# KiCad board lb_mp1.kicad_pcb (continued)
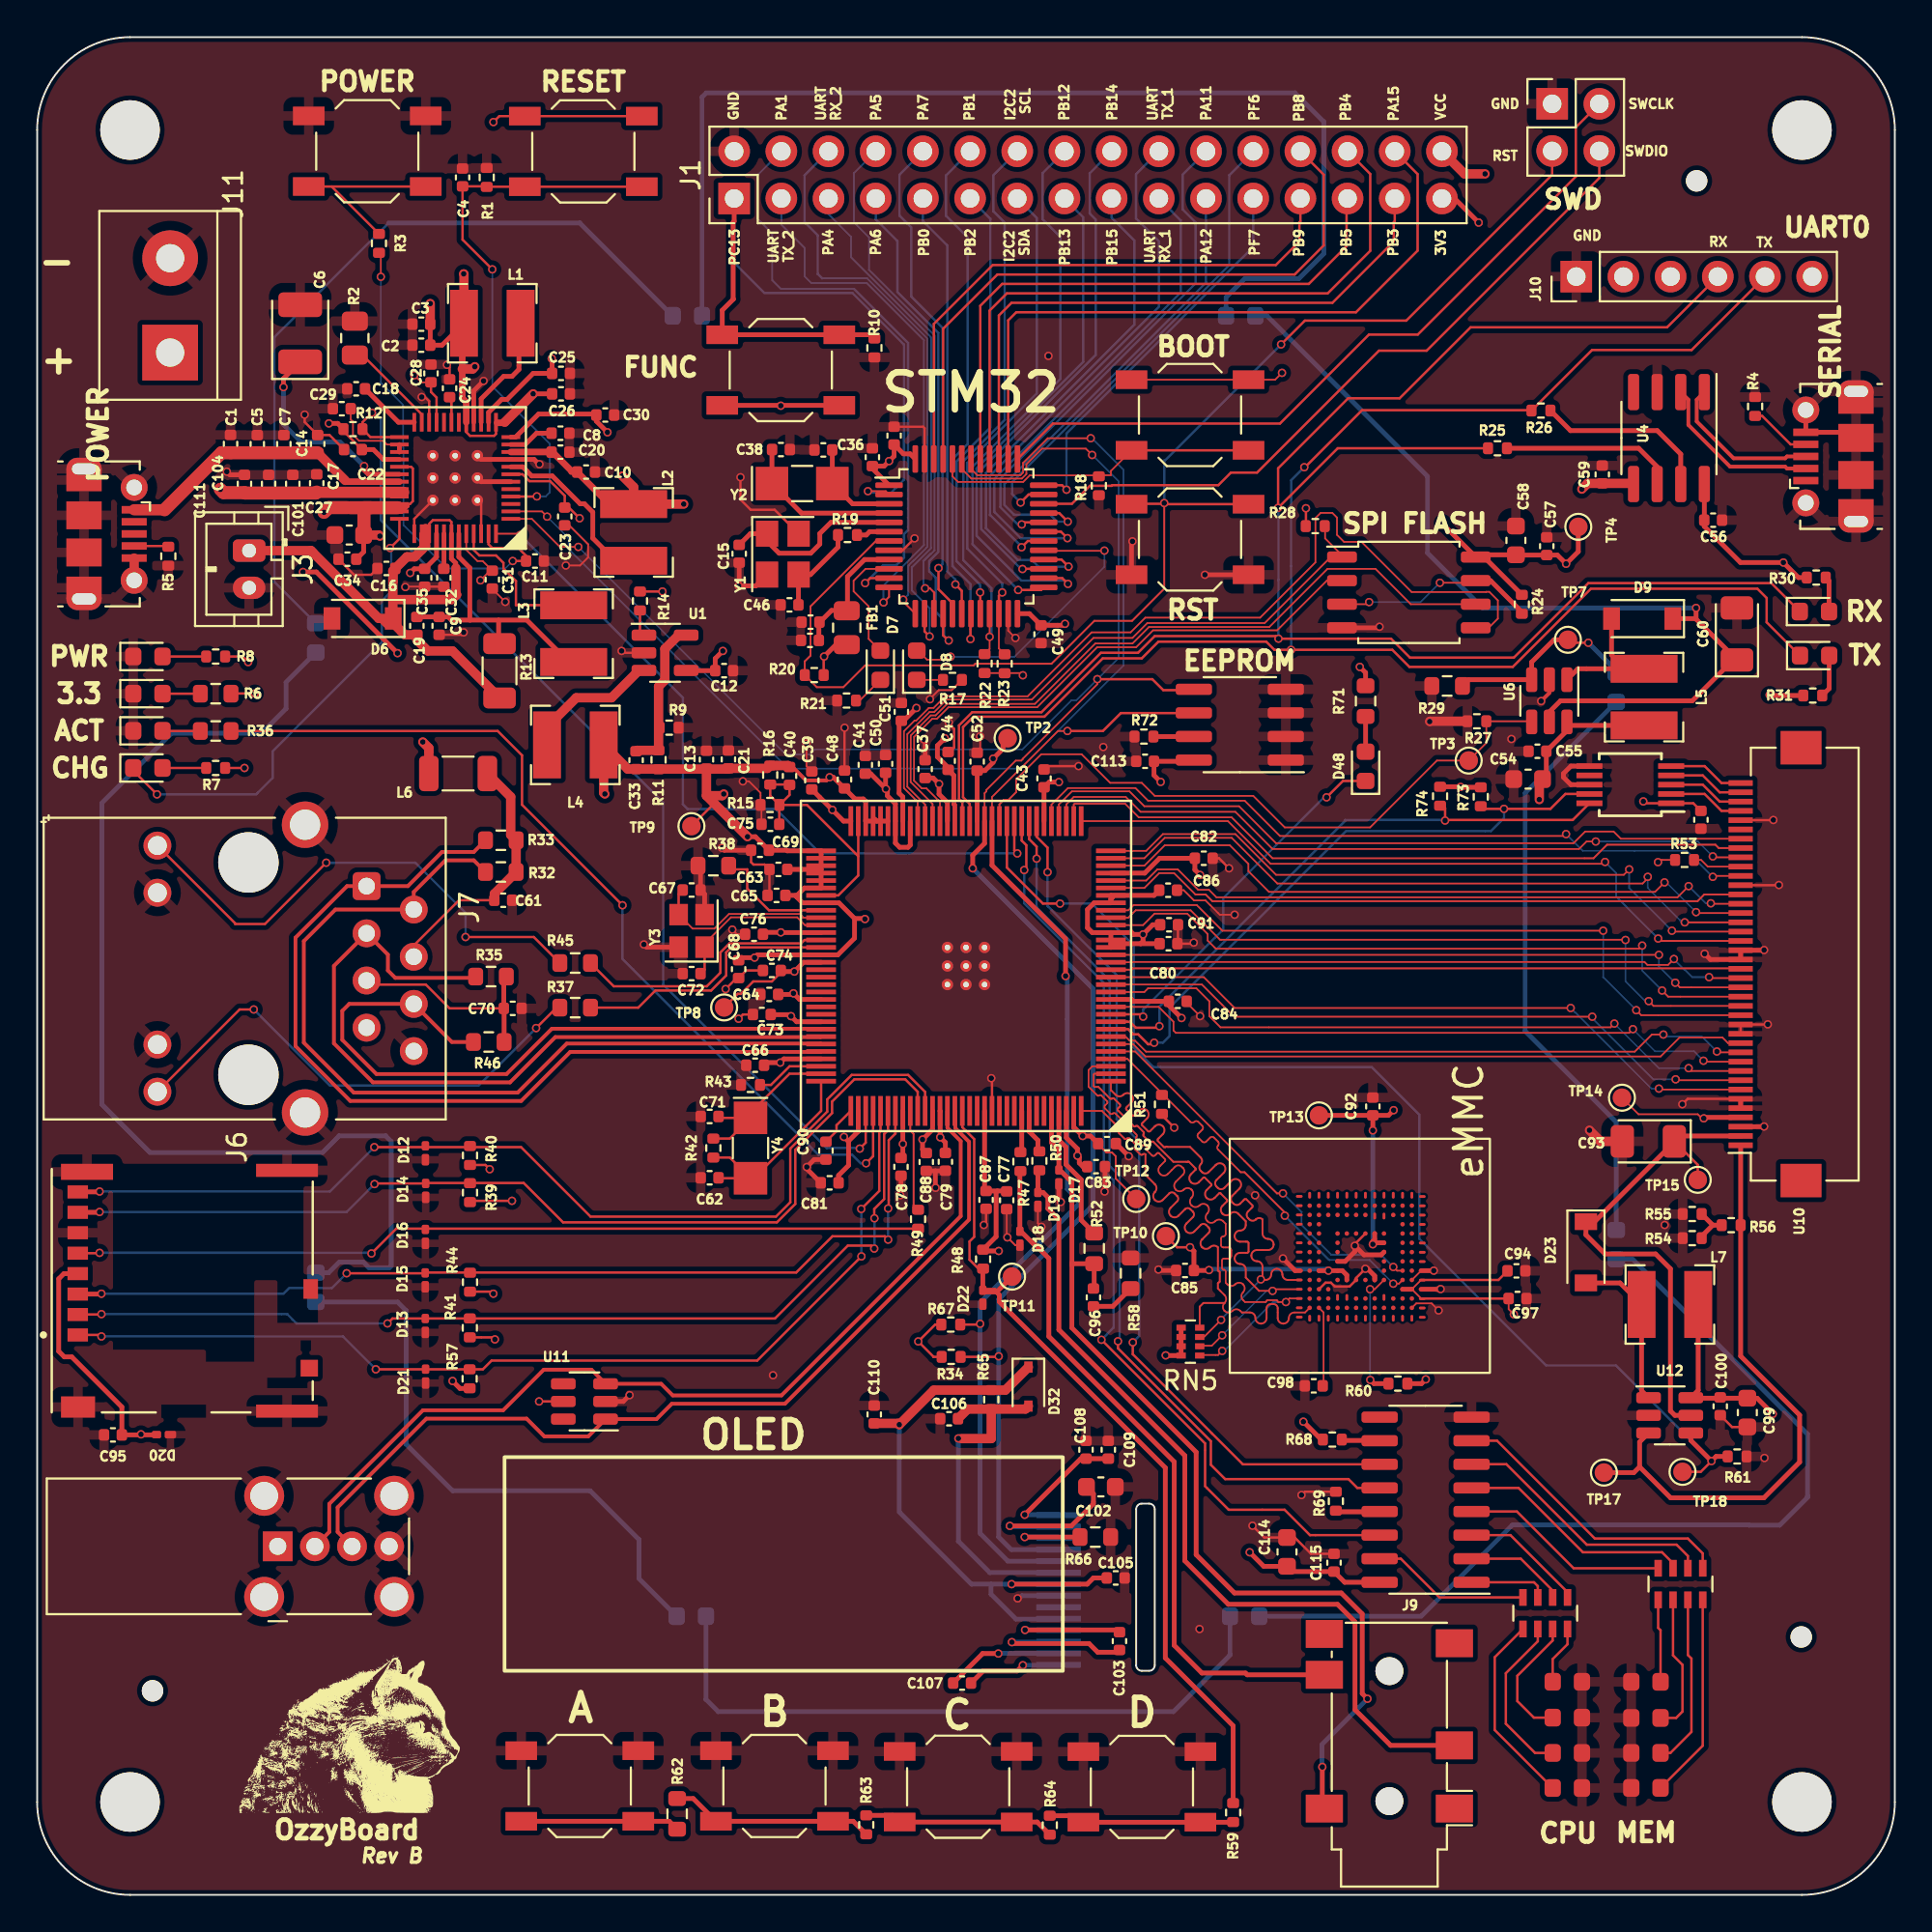
[diagram p0: board, top side]
## Routing (per net, layer and track width the routed paths; a pad name or vN(x,y) marks a point on that pad's centre or on a via; arc(x,y) is an arc through that point) (continued)
VCC: length 373.2
  Top w0.09: C28.1 20.68,81.42 v1(20.3,81.8) ; v1(23.86,70.76) 24.38,71.28 C31.1 23.98,71.8 23.7,71.8 23.1,72.4 U2.44
  Top w0.127: U2.21 21.5,80.6 21.2,80.9 C28.1 ; v1(11.36,66.36) 11.06,66.66 R8.1 ; U2.29 20.13,76.87 20.22,76.78 20.22,75.02 20.07,74.87 U2.34 ; v1(29.2,74.1) 28.62,74.68 C23.1 28.4,75.31 27.61,76.1 26.5,76.1 26.13,76.47 U2.7 ; U11.5 v1(27.02,26.56) ; SW1.2 SW1.2 24.88,95.75 v1(24.56,95.43) ; R7.1 v1(11.16,60.66)
  Top w0.254: 19.24,74.69 19.31,74.62 19.46,74.77 19.92,74.77 19.62,74.47 U2.35 ; L5.1 82.54,62.95 U6.6 82.35,62.67 C55.1 81.24,60.27 C54.1 ; U2.14 24.3,79.8 25,80.5 25.3,80.5 26.7,81.9 C25.1 27.72,82.68 v1(27.7,82.7) ; v1(36.91,66.96) 36.5,66.55 C12.1 34.95,65.9 U1.4 ; C34.1 17.58,72.3 C27.1 ; U2.34 19.5,74.64 ; L7.1 89.41,27.16 U12.6 89.04,26.73 C99.1 92.59,26.73 v1(93.43,25.89)
  Top w0.5: C27.1 18.39,73.2 v1(18.45,73.14) ; J1.32 76.84,92.64 v1(77.94,92.64) ; 85.94,75.94 85.9,75.98 C59.1 83.46,75.98 v1(83.15,75.67) ; v1(80.86,58.96) 80.86,59.88 C54.1 ; 16.72,74.69 16.7,74.67
  Top w0.7: 16.7,74.67 15.7,74.67 v1(15.44,74.42) ; 17.94,74.67 16.86,74.67 ; 19.4,74.67 17.59,74.67 ; 17.59,74.56 17.59,73.3
  Power plane w0.127: v1(11.16,60.66) 13.64,60.66 15.8,62.82 ; 15.8,65.73 15.17,66.36 v1(11.36,66.36)
  Power plane w0.5: v1(77.94,92.64) 78.46,92.12 78.46,88.81 74.59,84.94 66.68,84.94 64.67,82.94 64.67,81.86 ; 36.91,75.11 v1(36.91,66.96) ; 36.91,75.11 37.17,74.85 50.75,74.85 57.76,81.86 64.67,81.86 ; 36.91,75.11 36.91,77.11 32.82,81.2 29.2,81.2 ; 64.67,81.86 65.96,81.86 72.01,75.81 ; 72.01,75.81 72.11,75.81 78.56,69.36 78.56,61.26 v1(80.86,58.96) 81.96,57.86 90.46,57.86 92.82,55.5 92.82,54.16 94.63,52.35 94.63,27.09 v1(93.43,25.89) ; 72.01,75.81 72.15,75.67 v1(83.15,75.67) ; 19.12,73.81 19.21,73.81 20.56,72.46 23.86,72.46 ; 19.12,73.81 19.12,80.71 20.22,81.8 v1(20.3,81.8) 20.3,91.17 v1(24.56,95.43) ; 19.12,73.81 v1(18.45,73.14) ; 23.86,72.46 27.76,72.46 29.2,73.9 v1(29.2,74.1) 29.2,81.2 ; 23.86,72.46 v1(23.86,70.76) ; 29.2,81.2 v1(27.7,82.7)
  Power plane w0.7: 17.02,73.89 16.49,74.42 v1(15.44,74.42) ; v1(15.44,74.42) 15.44,72 15.8,71.64 ; v1(15.44,74.42) 15.95,74.42 16.77,73.6 ; v1(15.44,74.42) 15.44,73.58 16.59,72.43 ; v1(15.44,74.42) 15.44,74.36 16.73,73.08 17.23,73.08 ; v1(15.44,74.42) 18.58,74.42 19.12,74.96
  Power plane w0.762: J8.1 12.95,19.37
  Power plane w1: 17.94,24.36 12.95,19.37
  Power plane w1.27: 19.12,74.96 15.8,71.64 15.8,62.82 28.57,50.05 28.57,28.11 v1(27.02,26.56) 24.82,24.36 17.94,24.36
VDD: length 62.3
  Top w0.127: C22.2 16.49,78.79 R12.2
  Top w0.254: 43.68,40.58 43.65,40.58 v1(43.43,40.8) ; 43.68,40.58 43.68,39.27 43.14,38.73 C81.1 ; 43.68,40.58 44.2,41.1 U8.98 ; v1(15.7,79.21) 16.18,79.21 R12.2 ; v1(19.4,66.84) 15.03,71.21 v1(14.31,71.21) ; C22.2 18.1,77.8 18.63,77.27 U2.28
  Power plane w0.254: v1(19.4,66.84) 19.56,66.68 19.56,66.65 23.56,62.65 23.56,58.72 41.48,40.8 v1(43.43,40.8) ; v1(14.31,71.21) 13.83,71.69 13.83,77.33 v1(15.7,79.21)
+BATT: length 46.9
  Top w0.127: U2.42 22.3,73.9 22.2,74 21.3,74 21.1,73.8
  Top w0.254: U2.42 22.3,71.92 22.53,71.69 22.53,70.2 22.16,69.83 19.13,69.83 19.1,69.86 ; 19.1,69.86 19.1,70.5 19.28,70.68 C16.1 ; 19.1,69.86 19.1,68.52 19.59,68.03 ; 14.87,72.23 18.8,68.3 ; U2.38 20.7,72.4
  Top w0.5: 14.74,72.36 18.39,68.71 D6.1 ; 14.74,72.36 J3.1 ; 14.74,72.36 14.87,72.23 ; R13.2 22.36,66.96 21.03,66.96 20.44,67.55 C19.1 19.79,67.83 19.17,68.45 D6.1 ; 20.91,73.55 20.91,72.61 20.33,72.02 19.91,72.02 C16.1 19.15,71.27 19.15,68.73 D6.1 ; 22.54,71.42 22.54,70.03 22.58,69.99 22.32,69.73 19.23,69.73 19.13,69.83
/Connections/EPHY-RXN: length 37.2
  Top w0.2: U8.89 42.17,46.63 27.71,46.63 25.27,44.19 18.26,44.19 16.42,46.02 16.42,47.58 16.8,47.96 J7.6 22.32,45.91 R46.1
/Connections/EPHY-RXP: length 42.2
  Top w0.2: U8.90 42.17,46.17 27.89,46.17 25.45,43.73 18.08,43.73 15.98,45.84 15.98,50 J7.3 18.88,50.61 18.88,49.76 19.28,49.36 23.53,49.36 R35.1
/Connections/EPHY-TXN: length 47.9
  Top w0.2: R32.2 23.51,55.69 21.98,55.69 20.27,53.98 J7.2 16.06,53.04 14.36,51.34 14.36,45.87 17.04,43.19 25.87,43.19 28.51,45.83 42.17,45.83 U8.91
/Connections/EPHY-TXP: length 48.9
  Top w0.2: U8.92 42.17,45.37 28.69,45.37 26.05,42.73 16.86,42.73 13.91,45.69 13.91,51.52 16.68,54.3 J7.1 19.95,54.3 21.79,56.14 23.51,56.14 R33.2
/Connections/UD+: length 8.5
  Top w0.2: J5.3 94.19,77.43 94.09,77.33 91.32,77.33 89.34,79.31 89.34,80.49 U4.1
/Connections/UD-: length 9.2
  Top w0.2: J5.2 94.19,76.78 94.09,76.88 91.13,76.88 88.88,79.13 88.88,80.49 U4.2
/Connections/USB-D+: length 49.8
  Top w0.2: J8.3 16.18,19.53 16.18,20.86 20.95,25.63 26.34,25.63 27.3,24.68 29.67,24.68 U11.1 33.34,25.61 34.16,26.44 40.25,26.44 50.16,36.35 50.16,40.53 49.43,41.27 49.43,42.17 U8.111
/Connections/USB-D-: length 50.1
  Top w0.2: U8.110 49,41.29 49.72,40.57 49.72,36.53 40.07,26.88 34.22,26.88 33.59,27.51 U11.3 29.84,28.27 27.27,28.27 25.09,26.08 20.77,26.08 15.72,21.04 15.72,19.53 J8.2
/Power/VDC: length 18.4
  Top w0.6: 15.09,75.5 19.73,75.5
  Top w0.7: v1(9.86,75.66) 10.04,75.48 C111.1 11.18,75.46 15,75.46 C17.2
  Power plane w0.9: v1(9.86,75.66) 7.16,78.36 J11.1
/STM32/PA1: length 32.2
  Top w0.127: U3.11 44.84,70.88 v1(44.57,70.61)
  Bottom w0.1: 43.97,86.45 40.04,86.45 39.57,86.92 39.57,89.43 38.76,90.24 38.76,92.56 J1.4
  Bottom w0.127: v1(44.57,70.61) 45.54,71.58 46.26,71.58 46.67,71.99 46.67,73.25 46.88,73.46 46.88,83.54 43.97,86.45
/STM32/PA4: length 28
  Top w0.127: v1(48.04,67.74) 47.77,68.01 U3.14
  Bottom w0.1: J1.5 42.6,90.47 43.81,89.26 43.81,88.15 48.12,83.85 48.12,72.49 47.08,71.46 47.08,70.22 48.04,69.26 v1(48.04,67.74)
/STM32/PA5: length 28
  Top w0.1: v1(47.8,70.33) 48.06,70.33 48.29,70.1
  Top w0.127: 48.29,70.1 48.29,68.99 U3.15
  Bottom w0.1: 47.7,70.43 v1(47.8,70.33) 47.71,70.42 47.71,71.8 ; J1.8 43.96,92.67 43.96,90.04 44.78,89.22 44.78,87.47 48.31,83.94 48.31,72.38 48.11,72.18 48.09,72.18
  Bottom w0.127: 47.71,71.8 48.09,72.18
/STM32/PA6: length 27.4
  Top w0.127: v1(49.07,67.52) 49.05,67.52 48.77,67.8 U3.16
  Bottom w0.127: J1.7 45.14,90.19 46.31,89.02 46.31,86.28 48.51,84.08 48.51,72.29 48.03,71.81 48.03,71.24 48.37,70.9 48.37,69.06 48.81,68.62 48.81,67.78 v1(49.07,67.52)
/STM32/PA7: length 26.8
  Top w0.127: v1(48.52,71.42) 48.52,70.28 49.27,69.53 U3.17
  Bottom w0.127: J1.10 46.42,92.59 46.42,90.39 47.05,89.76 47.05,86.04 48.73,84.36 48.73,71.63 v1(48.52,71.42)
/STM32/PA11: length 27.1
  Top w0.127: U3.32 53.11,73.88 v1(53,73.77)
  Bottom w0.09: 52.78,73.77 v1(53,73.77)
  Bottom w0.127: J1.22 61.67,92.6 61.67,90.72 62.36,90.03 62.36,86.75 51.85,76.24 51.85,74.7 52.78,73.77
/STM32/PA12: length 26.3
  Top w0.127: v1(55.48,73.92) 55.02,74.38 U3.33
  Bottom w0.127: J1.21 62.92,86.79 52.07,75.93 52.07,74.81 52.59,74.29 54.54,74.29 54.91,73.92 v1(55.48,73.92)
/STM32/PA15: length 36.9
  Top w0.127: U3.38 52.27,84.76 52.71,85.19 70.99,85.19 74.31,88.51 74.31,92.62 J1.30
/STM32/PB0: length 23.2
  Top w0.127: v1(49.43,70.54) 49.77,70.2 U3.18
  Bottom w0.127: v1(49.43,70.54) 49.43,70.8 48.99,71.24 48.99,88.79 47.68,90.1 J1.9
/STM32/PB1: length 29.4
  Top w0.127: 50.24,68.94 v1(50.24,67.6)
  Bottom w0.127: v1(50.24,67.6) 50.24,70.56 49.27,71.53 49.27,77.28 50.09,78.1 50.09,89.22 48.92,90.39 48.92,92.56 J1.12
/STM32/PB2: length 24.1
  Top w0.127: v1(50.76,70.11) 50.77,70.1 U3.20
  Bottom w0.127: J1.11 51.31,90.22 51.31,78.98 49.49,77.16 49.49,71.79 50.76,70.52 v1(50.76,70.11)
/STM32/PB3: length 33
  Top w0.127: U3.39 51.77,85.02 52.45,85.7 69.72,85.7 73.03,89 73.03,90.03 73.08,90.09 J1.29
/STM32/PB4: length 35.7
  Top w0.127: U3.40 51.27,85.28 52.2,86.21 69.47,86.21 71.76,88.5 71.76,92.63 J1.28
/STM32/PB5: length 31.9
  Top w0.127: J1.27 70.49,91.26 70.49,88.75 68.45,86.72 51.94,86.72 50.77,85.54 U3.41
/STM32/PB8: length 34.9
  Top w0.127: J1.26 69.26,92.59 69.26,88.79 67.69,87.22 51.69,87.22 48.77,84.3 U3.45
/STM32/PB9: length 31.1
  Top w0.127: J1.25 68,90.09 67.95,90.03 67.95,89 66.68,87.73 51.44,87.73 48.27,84.57 U3.46
/STM32/PB12: length 28.9
  Top w0.127: U3.25 54.04,70.24 v1(52.81,70.24)
  Bottom w0.127: J1.16 54.12,92.67 54.12,90.2 55.08,89.24 55.08,81.6 50.35,76.88 50.35,72.7 v1(52.81,70.24)
/STM32/PB13: length 28.4
  Top w0.127: U3.26 55.18,70.88 v1(55.49,70.57)
  Bottom w0.127: J1.15 56.31,90.31 56.31,82.53 50.57,76.79 50.57,73.16 52.98,70.75 55.31,70.75 v1(55.49,70.57)
/STM32/PB14: length 27.8
  Top w0.127: v1(53.04,71.37) 53.05,71.38 U3.27
  Bottom w0.127: J1.18 56.66,92.67 56.66,90.51 56.98,90.19 56.98,82.89 50.82,76.73 50.82,73.52 52.97,71.37 v1(53.04,71.37)
/STM32/PB15: length 28.4
  Top w0.127: U3.28 55.14,71.88 v1(55.52,71.5)
  Bottom w0.127: v1(55.52,71.5) 53.9,71.5 53.54,71.86 52.79,71.86 51.07,73.57 51.07,76.53 59.06,84.52 59.06,89.06 57.84,90.28 J1.17
/STM32/PC13: length 41.1
  Top w0.1: U3.2 45.68,75.56 v1(44.72,75.56)
  Top w0.254: J1.1 37.52,90.09 37.47,90.03 37.47,85.91 37.48,85.9 36.88,85.3 SW9.1 SW9.1 44.87,83.98 R10.2
  Bottom w0.1: v1(44.72,75.56) 44.81,75.47 45.96,75.47
  Bottom w0.127: 45.96,75.47 46.67,76.18 46.67,83.45 43.88,86.23 39.15,86.23 37.52,87.86 J1.1
/STM32/PF6: length 25.9
  Top w0.127: U3.35 53.37,75.38 v1(52.94,74.95)
  Bottom w0.127: v1(52.94,74.95) 52.49,75.4 52.49,76.05 64.17,87.73 64.17,92.56 J1.24
/STM32/PF7: length 21.2
  Top w0.127: U3.36 55.17,75.88 v1(55.41,75.64)
  Bottom w0.127: v1(55.41,75.64) 55.41,78.66 65.46,88.71 J1.23
ACT: length 50.1
  Top w0.127: R36.2 24.79,62.65 26.1,61.34 26.1,58.68 v1(31.51,53.27) ; v1(44.62,39.38) 45,39.76 U8.100
  Bottom w0.127: v1(31.51,53.27) 31.51,50.38 42.05,39.84 43.87,39.84 44.33,39.38 v1(44.62,39.38)
ACT_LED: length 6.5
  Top w0.09: D7.2 44.76,67.61 44.76,69.36 43.95,70.17 43.95,70.74 44.59,71.38 U3.10
I2C2_SCL: length 30.8
  Top w0.09: R22.1 51.27,67.06 v1(51.27,67.72) U3.21
  Bottom w0.127: J1.14 51.47,92.56 51.47,90.63 52.08,90.02 52.08,79.4 49.85,77.17 49.85,71.85 51.37,70.33 51.37,67.82 v1(51.27,67.72)
I2C2_SDA: length 27.5
  Top w0.09: R23.1 51.77,67.09 U3.22
  Top w0.127: U3.22 51.77,69.93 v1(51.95,70.11)
  Bottom w0.127: J1.13 53.81,90.26 53.81,80.82 50.07,77.08 50.07,72.47 51.95,70.59 v1(51.95,70.11)
LADC: length 46.2
  Top w0.127: 51.7,32.39 51.06,32.39 D22.1 ; 51.7,32.39 51.8,32.3 ; 51.7,32.39 51.7,32.5 ; U8.112 49.8,41.32 50.44,40.68 50.44,35.42 50.19,35.17 50.19,34.19 50.67,33.71 R48.2
  Top w0.254: 51.7,32.5 TP11.1 ; 51.75,32.34 51.55,32.55 D22.1 50.91,33.69 R48.2 ; 51.8,32.3 51.8,31.92 60.73,22.99 60.73,12.75 64.38,9.1 R59.1
LNK_LED: length 14.6
  Top w0.127: R45.2 31.04,48.91 36.05,48.91 36.78,49.64 36.78,50.73 37.27,51.22 41.13,51.22 41.31,51.4 U8.77
N_Oe: length 30.3
  Top w0.09: 24.17,91.97 R1.2 24.21,91.95
  Top w0.127: v1(24.5,87.5) 22.9,89.1 C4.2 24.17,91.97 ; SW1.1 SW1.1 24.21,91.95 ; v1(26.9,75.28) 26.89,75.27 U2.4
  Bottom w0.09: v1(24.5,87.5) 24.5,81.2
  Bottom w0.1: 24.5,81.2 27.6,78.1 27.6,75.5 27.38,75.28 v1(26.9,75.28)
NMI: length 40.4
  Top w0.09: v1(26,73.2) 25.93,73.27 U2.48
  Top w0.127: U8.42 52.6,56.22 v1(52.76,56.06)
  Bottom w0.127: v1(52.76,56.06) 42.15,56.06 39.76,58.45 35.01,58.45 34.76,58.7 34.76,64.44 v1(26,73.2)
NRST: length 73.1
  Top w0.1: v1(60.67,74.92) 60.67,70.31 58.94,68.58 56.91,68.58 54.6,66.27 50.5,66.27 50.41,66.18 44.57,66.18 43.4,65.01 41.97,65.01 R20.1 41.32,66.4 41.63,66.71 41.63,69.36 45.15,72.88 U3.7
  Top w0.127: SW3.1 60.73,74.86 v1(60.67,74.92) 60.63,74.88 58.94,74.88 ; J2.3 81.55,92.59 73.7,84.74 68.24,84.74 v1(66.96,83.46)
  Bottom w0.09: 60.67,77.22 60.72,77.22
  Bottom w0.127: 60.72,77.22 v1(66.96,83.46) ; 60.67,77.22 v1(60.67,74.92)
OSC32_IN: length 5.3
  Top w0.254: C36.1 42.81,77.77 Y2.2 43.9,74.88 U3.3
OSC32_OUT: length 8.8
  Top w0.254: U3.4 41.15,74.38 Y2.1 39.56,77.8 C38.1
OSC_IN: length 10
  Top w0.254: C15.1 38.39,73.27 Y1.1 39.29,72.87 39.94,72.22 41.64,72.22 42.13,72.71 42.13,73.28 42.73,73.88 U3.5
OSC_OUT: length 1.8
  Top w0.254: U3.6 44.81,73.38 44.63,73.2 R19.2
PB0: length 46.9
  Top w0.127: v1(58.98,29.74) 58.98,29.1 64.91,23.17 U15.11 ; U8.39 53.8,56.96 54.39,56.37 v1(54.39,55.05)
  Bottom w0.127: v1(54.39,55.05) 54.39,53.23 58.11,49.51 58.11,41.76 59.32,40.55 59.32,30.08 v1(58.98,29.74)
PB1: length 48.4
  Top w0.127: U15.12 71.06,21.91 70.59,22.38 63.95,22.38 63.18,23.15 63.18,24.42 58.18,29.42 v1(58.18,29.8) ; U8.40 53.4,56.83 53.8,56.43 v1(53.8,55.78)
  Bottom w0.127: v1(58.18,29.8) 58.27,29.89 58.27,38.7 57.74,39.23 57.74,49.21 53.8,53.15 v1(53.8,55.78)
PB2: length 51
  Top w0.127: U15.14 68.52,19.36 67.15,20.73 64.14,20.73 62.87,22 62.87,24.3 v1(57.29,29.88) ; U8.41 53,56.75 53.25,56.5 53.25,55.28 v1(53.13,55.16)
  Bottom w0.127: v1(57.29,29.88) 57.95,30.54 57.95,38.46 57.42,38.99 57.42,49.09 53.13,53.38 v1(53.13,55.16)
PE20: length 20.2
  Top w0.127: v1(69.41,59.08) 70.29,59.96 D48.1 ; U8.10 59.41,47.4 v1(59.53,47.27)
  Bottom w0.127: v1(59.53,47.27) 59.53,47.65 63.85,51.97 63.85,53.66 69.27,59.08 v1(69.41,59.08)
PWM0: length 65.5
  Top w0.127: v1(90.13,23.35) 89.55,22.77 TP18.1 ; v1(55.06,53.36) 54.14,53.36 52.2,55.3 U8.43
  Top w0.254: R61.1 90.38,23.6 v1(90.13,23.35) 89.02,24.46 U12.4
  Bottom w0.127: v1(90.13,23.35) 84.98,28.5 81.23,28.5 74.4,35.33 74.4,42 71.84,44.56 60.08,44.56 59.03,45.61 59.03,51.11 56.78,53.36 v1(55.06,53.36)
PWM1: length 35.8
  Top w0.09: U6.4 80.41,63.17 R27.1 78.01,62.01 TP3.1 75.35,61.06 71.75,57.46 67.16,57.46 65.46,59.16 60.16,59.16 59.46,59.86 57.76,59.86 56.22,61.4 54.05,61.4 52.7,60.05
  Top w0.1: 52.7,60.05 52.7,59.36 52.28,58.94 52.04,58.94 51.8,58.7 U8.44
PWM_CH1: length 16.5
  Top w0.09: v1(49.17,66.65) 49.01,66.49 47.9,66.49 47.41,66.98 D8.2 ; v1(57.45,72.36) 57.44,72.35 54.21,72.35 U3.29
  Bottom w0.09: v1(49.17,66.65) 49.17,66.64 52.6,66.64 57.45,71.49 v1(57.45,72.36)
Pwron: length 26
  Top w0.09: R3.2 18.5,88.29 v1(18.5,87.1)
  Top w0.127: U2.47 24.3,72.7 24.5,72.5 25.9,72.5 26.32,72.08 C11.2 v1(25.6,71.8)
  Bottom w0.09: v1(25.6,71.8) 25.2,71.4 22.05,71.4 19.72,73.73 19.72,77.88 ; v1(18.5,87.1) 18.5,81.4 19.7,80.2 19.7,77.9
reset: length 57
  Top w0.127: U2.25 17.94,78.47 R12.1 17.51,79.27 v1(18.02,79.78) ; v1(44.28,40.17) 44.6,40.49 U8.99
  Bottom w0.127: v1(18.02,79.78) 18.19,79.78 18.5,79.47 18.5,74 33.7,58.8 33.7,49 42.5,40.2 44.25,40.2 v1(44.28,40.17)
scl: length 126.2
  Top w0.09: U2.2 27.17,74.47 27.45,74.19 v1(27.45,74.19) ; v1(55.46,62.65) 54.95,62.65 51.4,59.1 U8.45 ; v1(56.71,78.41) 54.4,78.41 53.07,77.08 53.07,76.56 52.93,76.42 50.61,76.42 50.27,76.76 U3.42
  Top w0.127: v1(55.46,62.65) 57.37,62.65 58.34,63.61 62.22,63.61 ; R67.2 50.72,30.7 v1(50.76,30.74)
  Top w0.254: v1(55.36,49.46) 55.36,51.46 51.4,55.42 U8.45
  Bottom w0.09: 54.5,62.2 52.93,60.63 40.43,60.63 28.61,72.45 28.61,73.03 v1(27.45,74.19) ; 54.5,62.2 58.48,66.18 58.48,76.71 56.78,78.41 v1(56.71,78.41) ; 54.5,62.2 54.95,62.65 v1(55.46,62.65)
  Bottom w0.254: v1(55.36,49.46) 55.45,49.37 55.45,37.99 56.16,37.28 50.76,31.88 v1(50.76,30.74) 50.76,19.46 52.25,17.97 U14.10
sda: length 125.4
  Top w0.09: v1(57.07,65.44) 57.07,65.17 53.05,61.15 53.05,61.13 52.97,61.05 52.68,61.05 51.1,59.48 51.1,59.4 51,59.3 U8.46 ; v1(56.79,77.51) 56.45,77.85 54.09,77.85 53.25,77.01 53.25,76.48 53.01,76.24 50.29,76.24 49.77,76.76 U3.43 ; v1(29.13,72.56) 28.14,72.56 26.63,74.07 U2.1 ; 62.18,64.85 62.22,64.88
  Top w0.127: v1(57.07,65.44) 60.03,65.44 60.62,64.85 62.18,64.85 ; R34.2 51.73,28.96 v1(51.76,28.99)
  Top w0.254: U8.46 51,56.6 50.36,55.96 v1(50.36,55.26)
  Bottom w0.09: v1(29.13,72.56) 40.31,61.38 41.58,61.38 41.86,61.66 53.03,61.66 55.68,64.3 55.94,64.3 v1(57.07,65.44) 58.22,66.59 58.22,76.09 56.8,77.51 v1(56.79,77.51)
  Bottom w0.254: v1(50.36,55.26) 56.83,48.79 56.83,37.13 51.76,32.06 v1(51.76,28.99) 51.76,19.26 52.44,18.59 54.98,18.59
SPD__LED: length 14.5
  Top w0.127: U8.78 37.36,51 37.09,50.73 37.09,49.49 36.28,48.68 33.28,48.68 32.36,47.76 R37.2
SWCLK: length 40.8
  Top w0.127: U3.37 54.68,79.2 66.9,79.2 71.69,83.99 74.32,83.99 82.83,92.5 82.83,95.15 J2.2
SWDIO: length 38.6
  Top w0.127: J2.4 84.09,92.42 74.8,83.12 72.23,83.12 65.67,76.56 64.26,76.56 63.58,75.88 57.87,75.88 57.84,75.85 56.67,75.85 55.7,74.88 U3.34
USART1_RX: length 27.5
  Top w0.127: U3.31 55.11,73.38 v1(55.46,73.03)
  Bottom w0.127: v1(55.46,73.03) 52.94,73.03 51.53,74.44 51.53,76.23 61.56,86.26 61.56,90.13 J1.19
USART1_TX: length 28.1
  Top w0.127: v1(52.99,72.54) 53.33,72.88 U3.30
  Bottom w0.09: 52.99,72.58 v1(52.99,72.54)
  Bottom w0.127: J1.20 59.15,92.62 59.15,90.24 60.38,89.01 60.38,85.48 51.29,76.39 51.29,74.28 52.99,72.58
USART2_RX: length 30.4
  Top w0.1: U3.13 46.62,69.62 v1(46.62,69.72)
  Bottom w0.1: v1(46.62,69.72) 46.89,69.99 46.89,71.54 47.18,71.83 47.19,71.83 47.93,72.57 47.93,83.77 44.67,87.02 42.25,87.02
  Bottom w0.127: 42.25,87.02 42.02,87.25 42.02,89.33 41.31,90.04 41.31,92.56 J1.6
USART2_TX: length 28.5
  Top w0.1: U3.12 45.86,69.87 v1(45.56,69.57)
  Bottom w0.1: J1.3 40.06,89.91 41.31,88.66 41.31,87.13 41.67,86.77 44.65,86.77 47.74,83.69 47.74,72.66 45.56,70.48 v1(45.56,69.57)
Net-(C6-Pad1): length 11.2
  Top w0.254: C6.1 13.26,81.62 v1(13.26,81.16) ; U2.30 17.83,76.47 17.6,76.7 v1(17.6,76.91)
  Bottom w0.254: v1(13.26,81.16) 13.26,79.16 14.22,78.2 16.31,78.2 v1(17.6,76.91)
Net-(C8-Pad1): length 2.4
  Top w0.254: U2.11 26.27,78.07 26.88,78.68 C8.1
Net-(C18-Pad2): length 3.4
  Top w0.254: U2.24 19.45,79.27 C18.2
Net-(C19-Pad2): length 15.6
  Top w0.254: L3.2 28.62,66.36 26.36,68.62 24.84,68.62 ; 24.84,68.62 24.84,67.4 R13.1 ; 24.84,68.62 23.3,68.62 ; C19.2 C9.1 22.13,68.79 22.3,68.62 23.3,68.62 ; 23.3,68.62 23.29,68.63 23.29,71.43 22.7,72.02 U2.43
Net-(C24-Pad2): length 2.7
  Top w0.09: 22.1,80.52 22.3,80.32 U2.19
  Top w0.127: U2.19 22.3,80.52 C24.2
Net-(C29-Pad1): length 4.6
  Top w0.09: C29.1 16.88,79.42 17,79.3 17,78.6 17.33,78.27 18.63,78.27 18.83,78.07 U2.26
  Top w0.254: U2.27 U2.26
Net-(C32-Pad2): length 1.9
  Top w0.254: C32.2 21.9,71.39 U2.41
Net-(C33-Pad2): length 8.3
  Top w0.5: U1.5 34.53,67.81 33.79,67.07 33.79,65.39 33.45,65.05 R11.2 32.29,61.61 C33.2
Net-(C40-Pad2): length 15.5
  Top w0.127: R15.1 41.44,58.67 44.2,55.91 ; R15.1 40.5,59.21 C40.2 40.48,59.77 R16.2 39.46,59.17 R15.1 ; R15.1 39.95,58.66 C75.1 ; 44.2,55.91 U8.63 ; 44.2,55.91 44.2,54.87 43.13,53.8 U8.71
Net-(C46-Pad1): length 5
  Top w0.254: C46.1 40.98,71.06 Y1.3 41.63,71.07 43.11,72.55 R19.1
Net-(C60-Pad1): length 49.4
  Top w0.254: U6.5 81.4,63.67 82,64.27 89.1,64.27 91.3,66.47 C60.1 89.3,68.67 ; 89.3,68.67 89.28,68.7 D9.1 ; 89.3,68.67 v1(89.3,69.27)
  Bottom w0.254: D24.2 66.2,85 74.84,76.36 74.84,72.24 77.81,69.27 v1(89.3,69.27)
Net-(C61-Pad1): length 13.9
  Top w0.127: C61.1 22.71,53.54 20.27,51.1 J7.4
  Top w0.5: L6.2 25.49,59.1 25.49,57.06 25.78,56.77 25.78,55.06 24.61,53.88 C61.1
Net-(C62-Pad1): length 11.1
  Top w0.127: Y4.2 38.57,38.58 42.2,42.2 U8.96 ; Y4.2 37.28,39.69 R42.1 ; Y4.2 36.71,38.58 C62.1
Net-(C67-Pad1): length 9.8
  Top w0.09: Y3.3 35.28,52.01 36.45,52.01 37.24,52.8 41.06,52.8 41.19,52.67 41.19,52.6 U8.74
  Top w0.127: C67.1 34.53,53.87 Y3.3
Net-(C70-Pad1): length 11.6
  Top w0.127: J7.5 17.95,49 20.92,49 22.2,47.72 C70.1
  Top w0.254: R46.2 25.14,47.7 C70.1 25.12,49.3 R35.2
Net-(C71-Pad1): length 9.2
  Top w0.127: U8.95 40.5,44.2 38.4,42.1 Y4.1 ; Y4.1 36.75,41.83 C71.1 ; Y4.1 37.28,40.71 R42.2
Net-(C72-Pad1): length 8.7
  Top w0.09: U8.75 41.33,52.2 40.91,52.62 37.35,52.62 35.93,51.2 Y3.1
  Top w0.127: Y3.1 35.93,49.81 C72.1
Net-(C90-Pad2): length 2.2
  Top w0.127: C90.2 43.03,41.11 43.03,41.43 U8.97
Net-(C93-Pad1): length 27.7
  Top w0.127: TP15.1 89.39,39.3 C93.1
  Top w0.254: U12.5 88.16,25.81 87.92,26.05 87.92,33.7 87.12,34.5 84.4,34.5 83.37,35.53 D23.1 83.84,36.24 88.45,40.85 U10.2
Net-(C96-Pad1): length 2.4
  Top w0.254: R58.2 57.91,31.68 C96.1
Net-(C96-Pad2): length 51.6
  Top w0.254: 55.7,34.02 55.7,38.37 55.05,39.02 D17.1 55,40.1 54.6,40.5 U8.124 ; 55.7,34.02 55.7,33.9 55.78,33.97 R52.1 56.9,32.68 C96.2 ; 55.7,34.02 55.7,30.52 62.39,23.83 62.39,18.31 64.45,16.25 70.2,16.25 71.33,15.12 71.33,10.84 v1(71.61,10.56) ; 69.18,6.76 69.18,4.63
  Bottom w0.254: 69.16,8.08 69.16,6.84 ; 71.59,10.53 69.16,8.09
  vias: v1(69.18,6.88)
Net-(C98-Pad1): length 4.1
  Top w0.09: 69.25,27.63 69.25,31.35 U9.C2
Net-(C102-Pad2): length 8.7
  Top w0.254: C102.2 56.86,21.58 56.86,21.05 55.67,19.86 v1(52.36,19.86)
  Bottom w0.254: U14.13 52.4,19.83 v1(52.36,19.86)
Net-(C103-Pad1): length 6.9
  Top w0.254: v1(53.18,14.26) 58.14,14.26 C103.1
  Bottom w0.254: v1(53.18,14.26) 54.97,14.26 U14.4
Net-(C103-Pad2): length 8.6
  Top w0.254: v1(52.47,13.6) 52.54,13.53 56.62,13.53 57.09,13.06 58.14,13.06 C103.2
  Bottom w0.254: v1(52.47,13.6) 54.96,13.6 U14.3
Net-(C106-Pad2): length 18.9
  Top w0.5: 49.74,24.56 51.36,24.56 R65.2 ; D32.2 53.2,26.15 R65.2 ; R65.2 50.09,26.15 C106.2
  Bottom w0.254: v1(49.59,24.57) 49.59,19.03 51.28,17.34 U14.9
Net-(C107-Pad1): length 6.3
  Top w0.254: C107.1 50.89,12.98 50.89,12.99 v1(51.74,12.99)
  Bottom w0.254: U14.2 51.75,13 v1(51.74,12.99)
Net-(C107-Pad2): length 5.1
  Top w0.254: C107.2 50.92,12.05 52.75,12.05 v1(53.06,12.36)
  Bottom w0.254: U14.1 54.96,12.36 v1(53.06,12.36)
Net-(C108-Pad1): length 7.6
  Top w0.254: C109.2 56.18,23.48 v1(53.16,20.46)
  Bottom w0.254: v1(53.16,20.46) 54.97,20.46
Net-(D1-Pad1): length 25.4
  Top w0.127: v1(19,72.5) 19.5,73 U2.36 ; D1.1 5.17,60.52 v1(6.45,59.24)
  Bottom w0.127: v1(6.45,59.24) 11.79,59.24 12.68,60.13 12.68,61.56 18.56,67.44 18.56,69.66 19.06,70.16 19.06,72.44 v1(19,72.5)
Net-(D1-Pad2): length 2.4
  Top w0.127: D1.2 R7.2
Net-(D2-Pad2): length 2
  Top w0.127: D2.2 R6.1
Net-(D3-Pad2): length 2.4
  Top w0.127: D3.2 R8.2
Net-(D4-Pad2): length 10.5
  Top w0.127: D4.2 78.46,8.87 78.46,12.79 RN1.5
Net-(D5-Pad2): length 2
  Top w0.127: D5.2 6.76,62.65 R36.1
Net-(D7-Pad1): length 1.8
  Top w0.09: R21.1 44.28,64.29 D7.1
Net-(D8-Pad1): length 1.4
  Top w0.09: R17.1 48.76,65.4 D8.1
Net-(D9-Pad2): length 8.4
  Top w0.254: D9.2 84.75,66.75 85.5,66 L5.2 82.94,66 U6.1
Net-(D10-Pad1): length 95.9
  Top w0.127: v1(68.21,76.85) 68.25,76.85 71.32,79.92 80.42,79.92 R26.2 83.7,83.16 89.06,83.16 J10.5 ; U8.48 50.2,58.73 49.84,59.09 49.84,62.86 50.4,63.42 54.22,63.42 57.36,66.56 59.46,66.56 60.36,67.46 66.16,67.46 66.6,67.02 v1(67.5,67.02) 72.95,67.02 73.87,66.1 79.43,66.1 83.64,70.31 92.6,70.31 93.1,69.81 93.1,68.5 D10.1
  Bottom w0.127: v1(67.5,67.02) 67.5,76.14 v1(68.21,76.85)
Net-(D10-Pad2): length 2.3
  Top w0.254: D10.2 96.47,64.94 R31.2
Net-(D11-Pad1): length 105
  Top w0.127: R25.1 70.01,77.87 v1(66.8,74.66) 66.8,76.79 70.57,80.56 73.34,80.56 77.16,84.38 87.74,84.38 J10.4 ; U8.49 49.8,58.82 49.62,59 49.62,62.95 50.33,63.66 54.06,63.66 57.26,66.86 59.26,66.86 60.16,67.76 66.68,67.76 v1(66.82,67.62) 72.88,67.62 73.9,66.6 79.49,66.6 83.5,70.61 93.35,70.61 D11.1
  Bottom w0.127: v1(66.8,74.66) 66.82,74.64 v1(66.82,67.62)
Net-(D11-Pad2): length 1.9
  Top w0.254: D11.2 96.46,70.73 R30.2
Net-(D12-Pad1): length 54.8
  Top w0.127: U8.107 47.8,43.22 46.89,44.13 43.84,44.13 42.53,42.82 42.53,42.16 40.54,40.17 40.54,37.28 39.77,36.51 29.79,36.51 26.05,40.25 v1(18.15,40.25)
  Top w0.254: J6.8 3.34,37.84 v1(3.36,37.86)
  Bottom w0.127: v1(3.36,37.86) 15.76,37.86 v1(18.15,40.25)
Net-(D13-Pad1): length 52.6
  Top w0.127: J6.2 3.44,31.24 v1(3.46,31.26) ; U8.102 45.8,41.16 45.59,40.95 45.59,37.45 45.06,36.92 45.06,36.43 v1(45.07,36.42) ; v1(45.06,34.79) 44.9,34.95 43.64,34.95 39.72,31.02 19.12,31.02 v1(18.86,30.76)